# Altium PCB FMU3_REV_D.PcbDoc (part 1 of 4)
Units mm, origin at the board's own origin, x right, y up, seen from the top; angles counter-clockwise.
Board outline 34.01 x 34.03 mm, 8 copper layers (Top, GND_top, HorizontalTop, Verticall_top, Horizontal_bot, VerticalBot, GND_BOT, Bottom), stack 1.63 mm thick; 168 components, 248 nets, 847 pads, 412 vias.
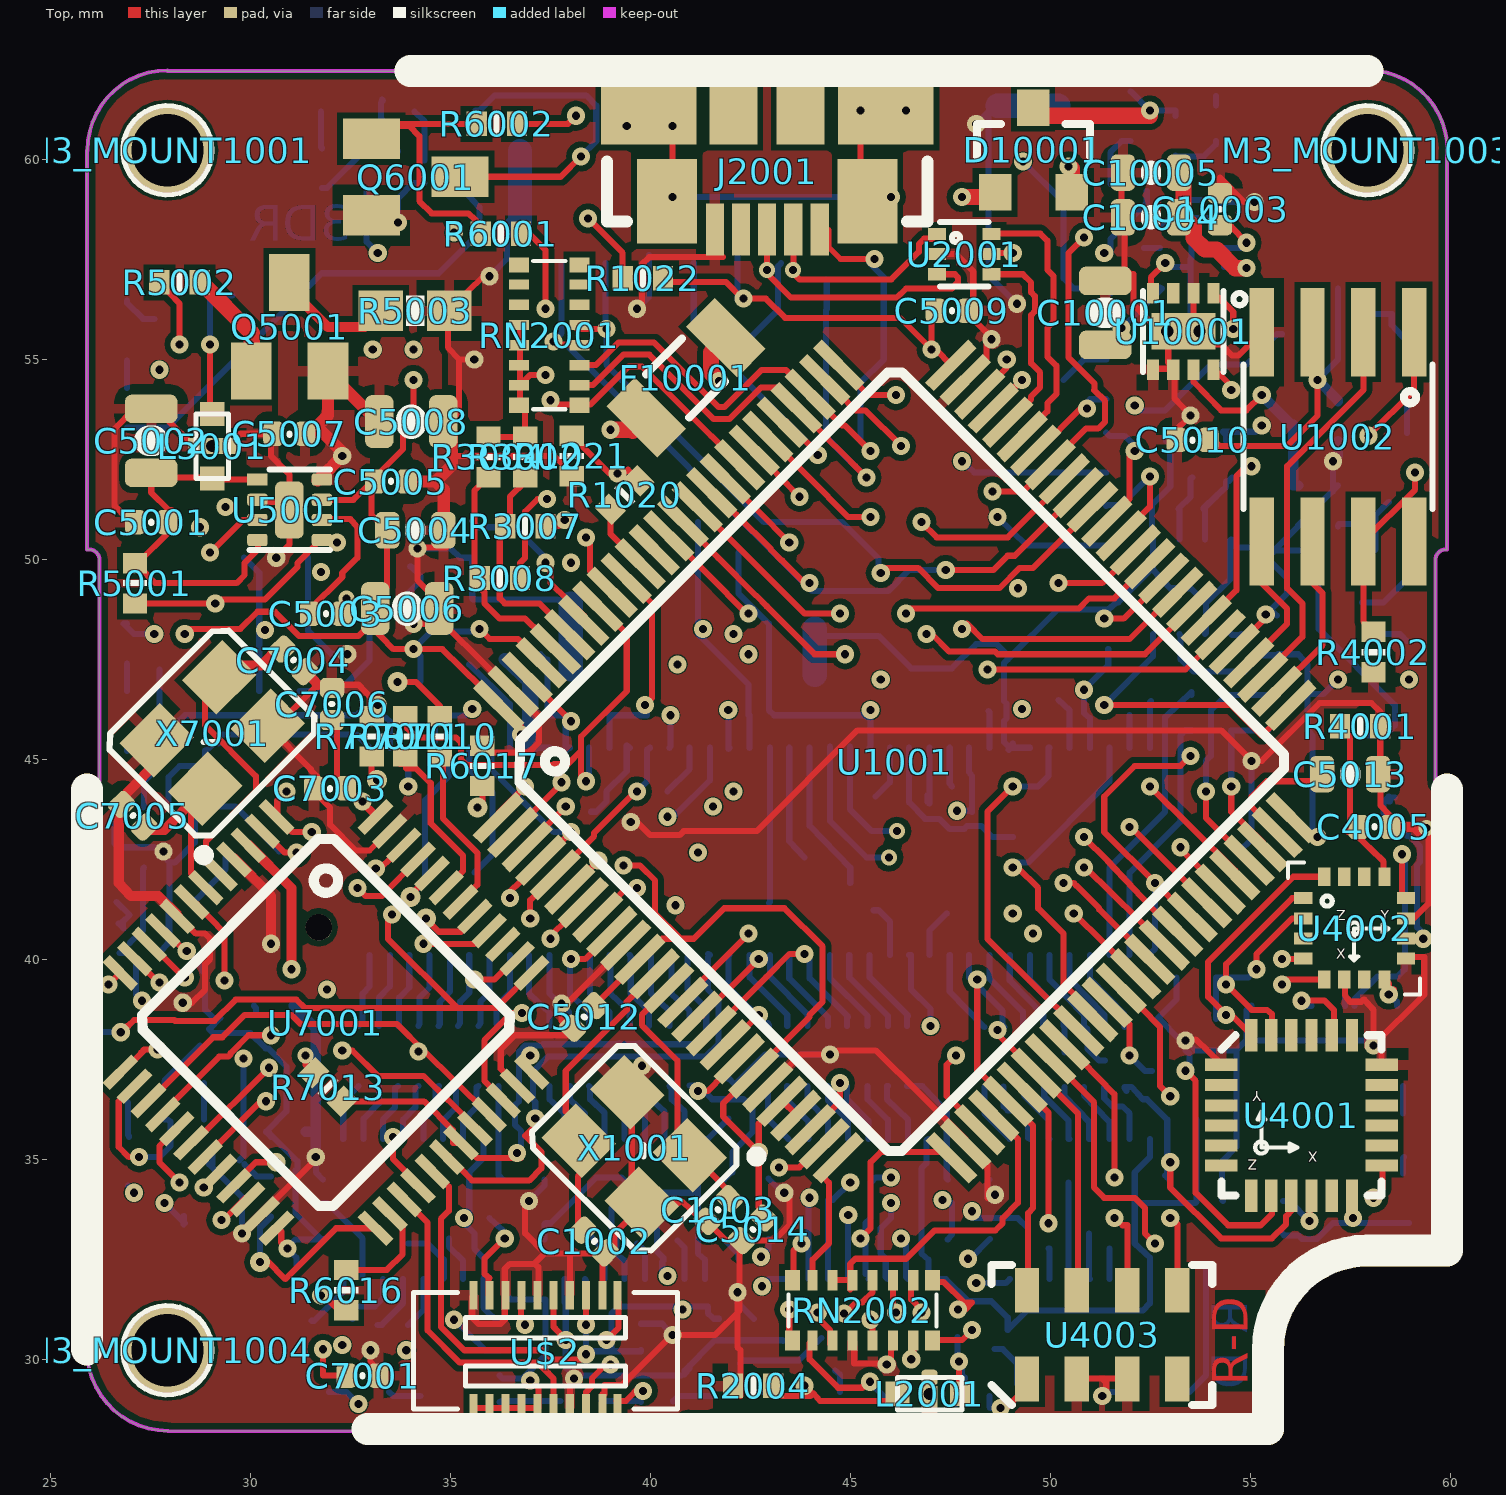
[diagram p0: Top view]
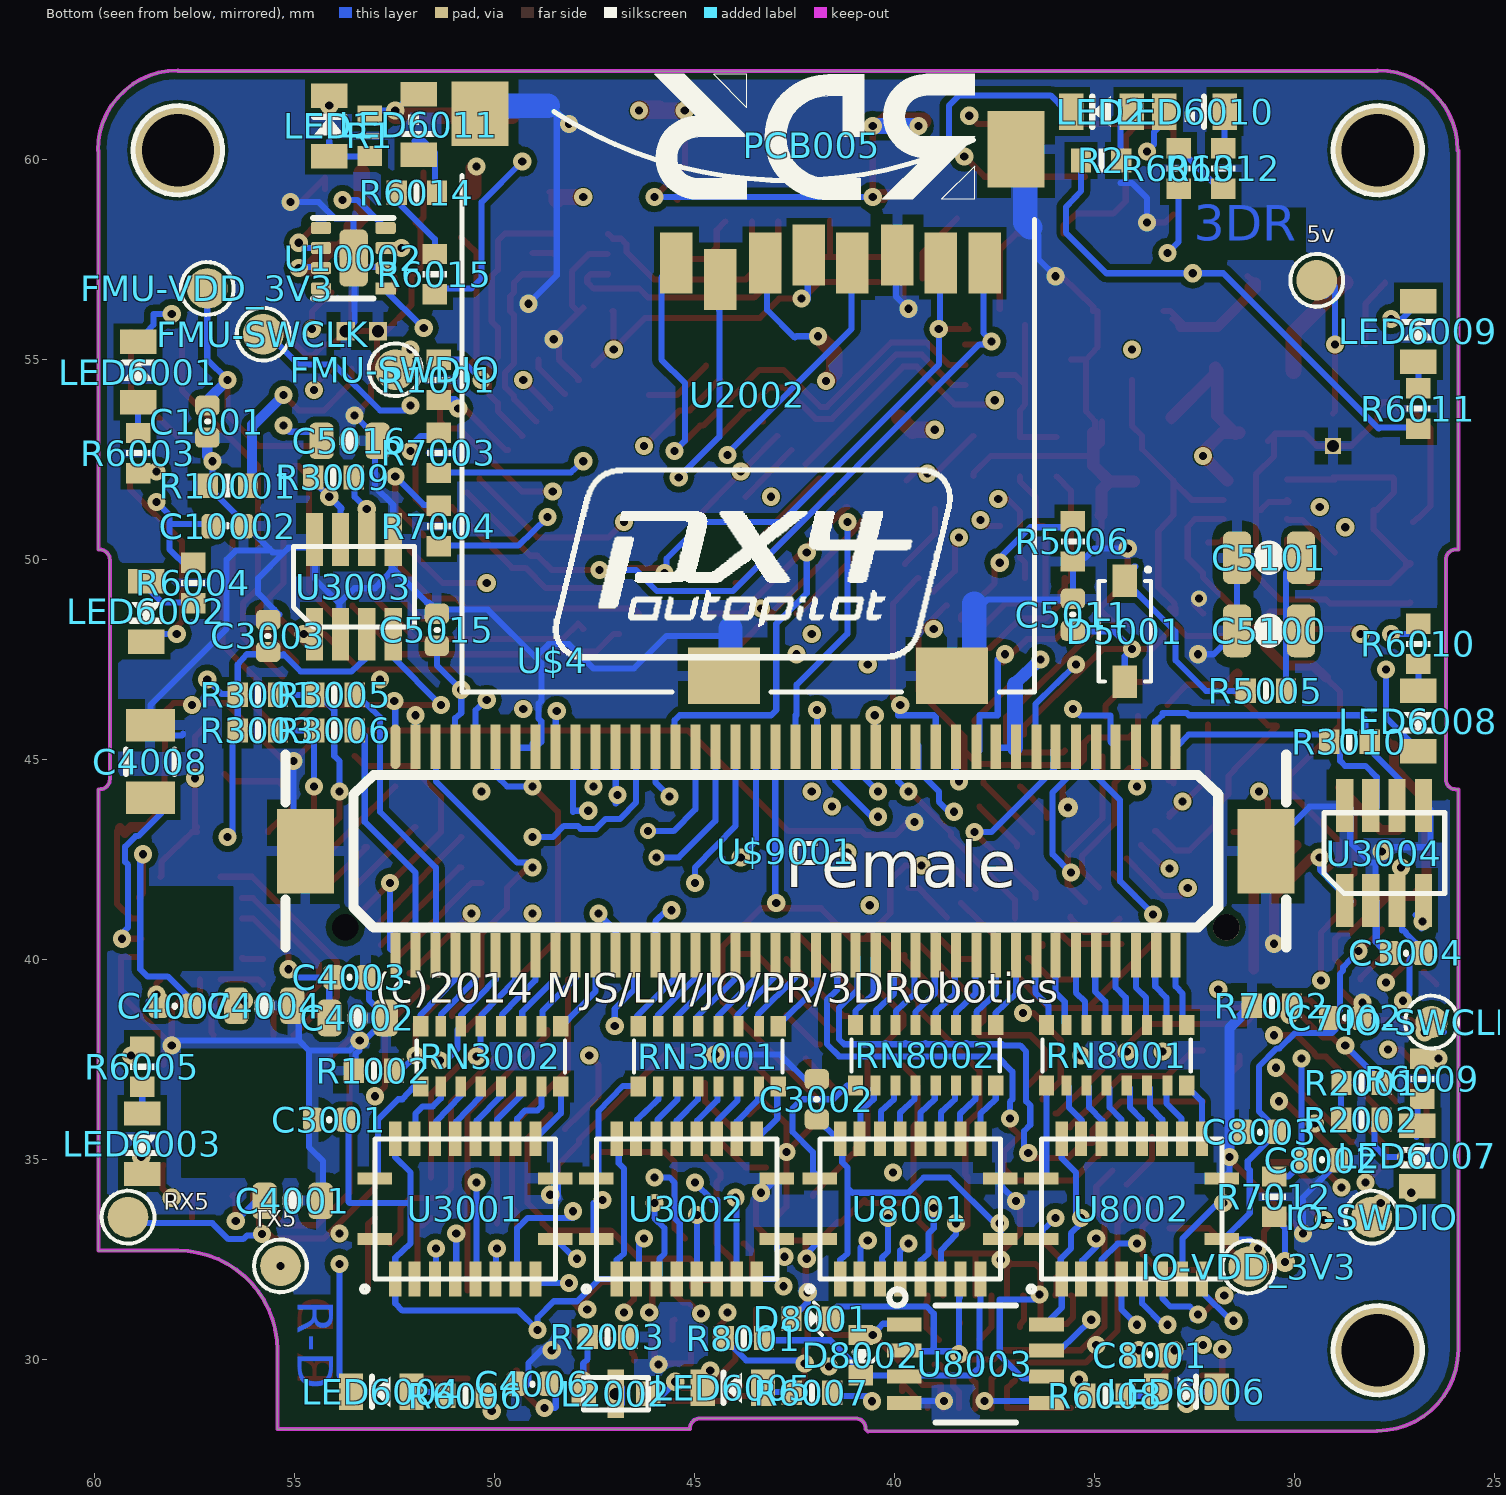
[diagram p1: Bottom view, seen from below]
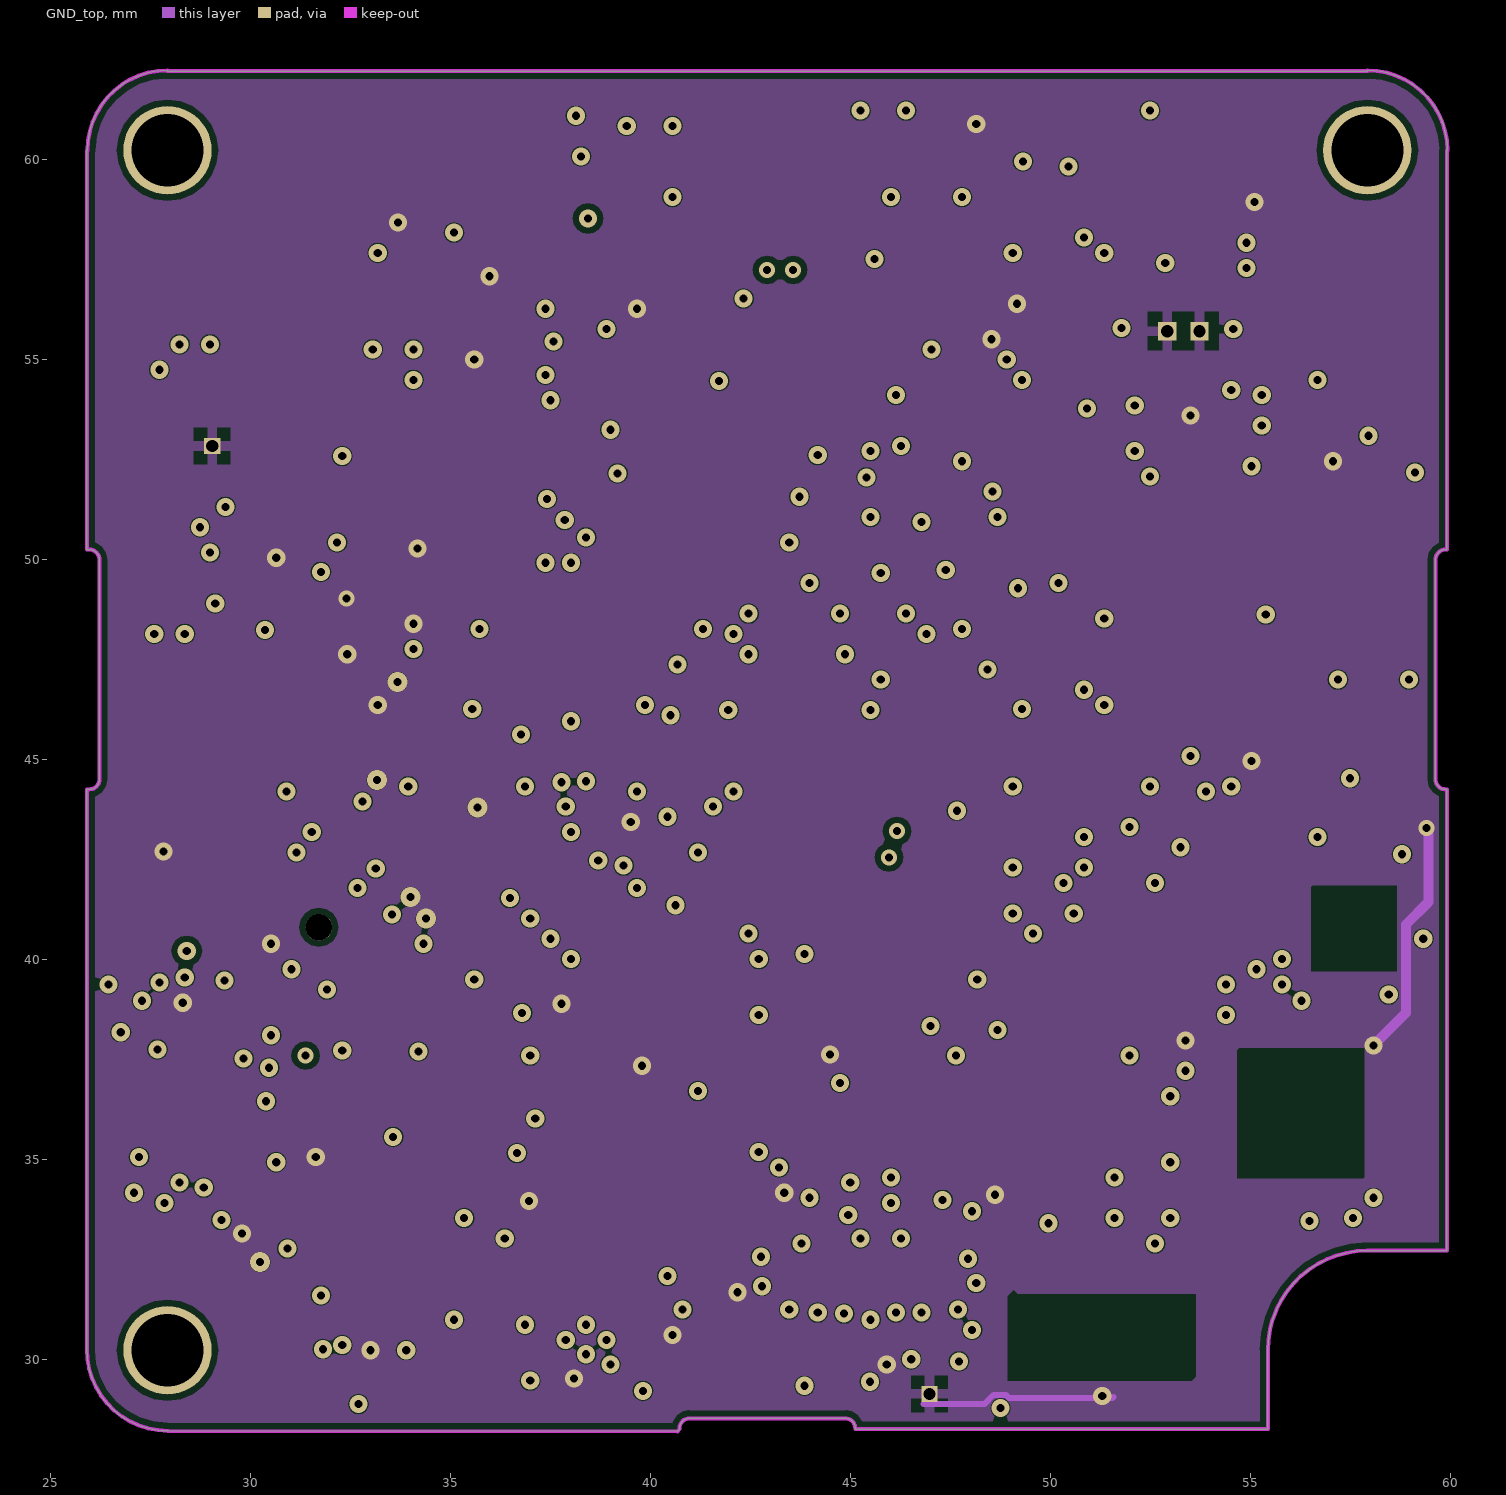
[diagram p2: GND_top]
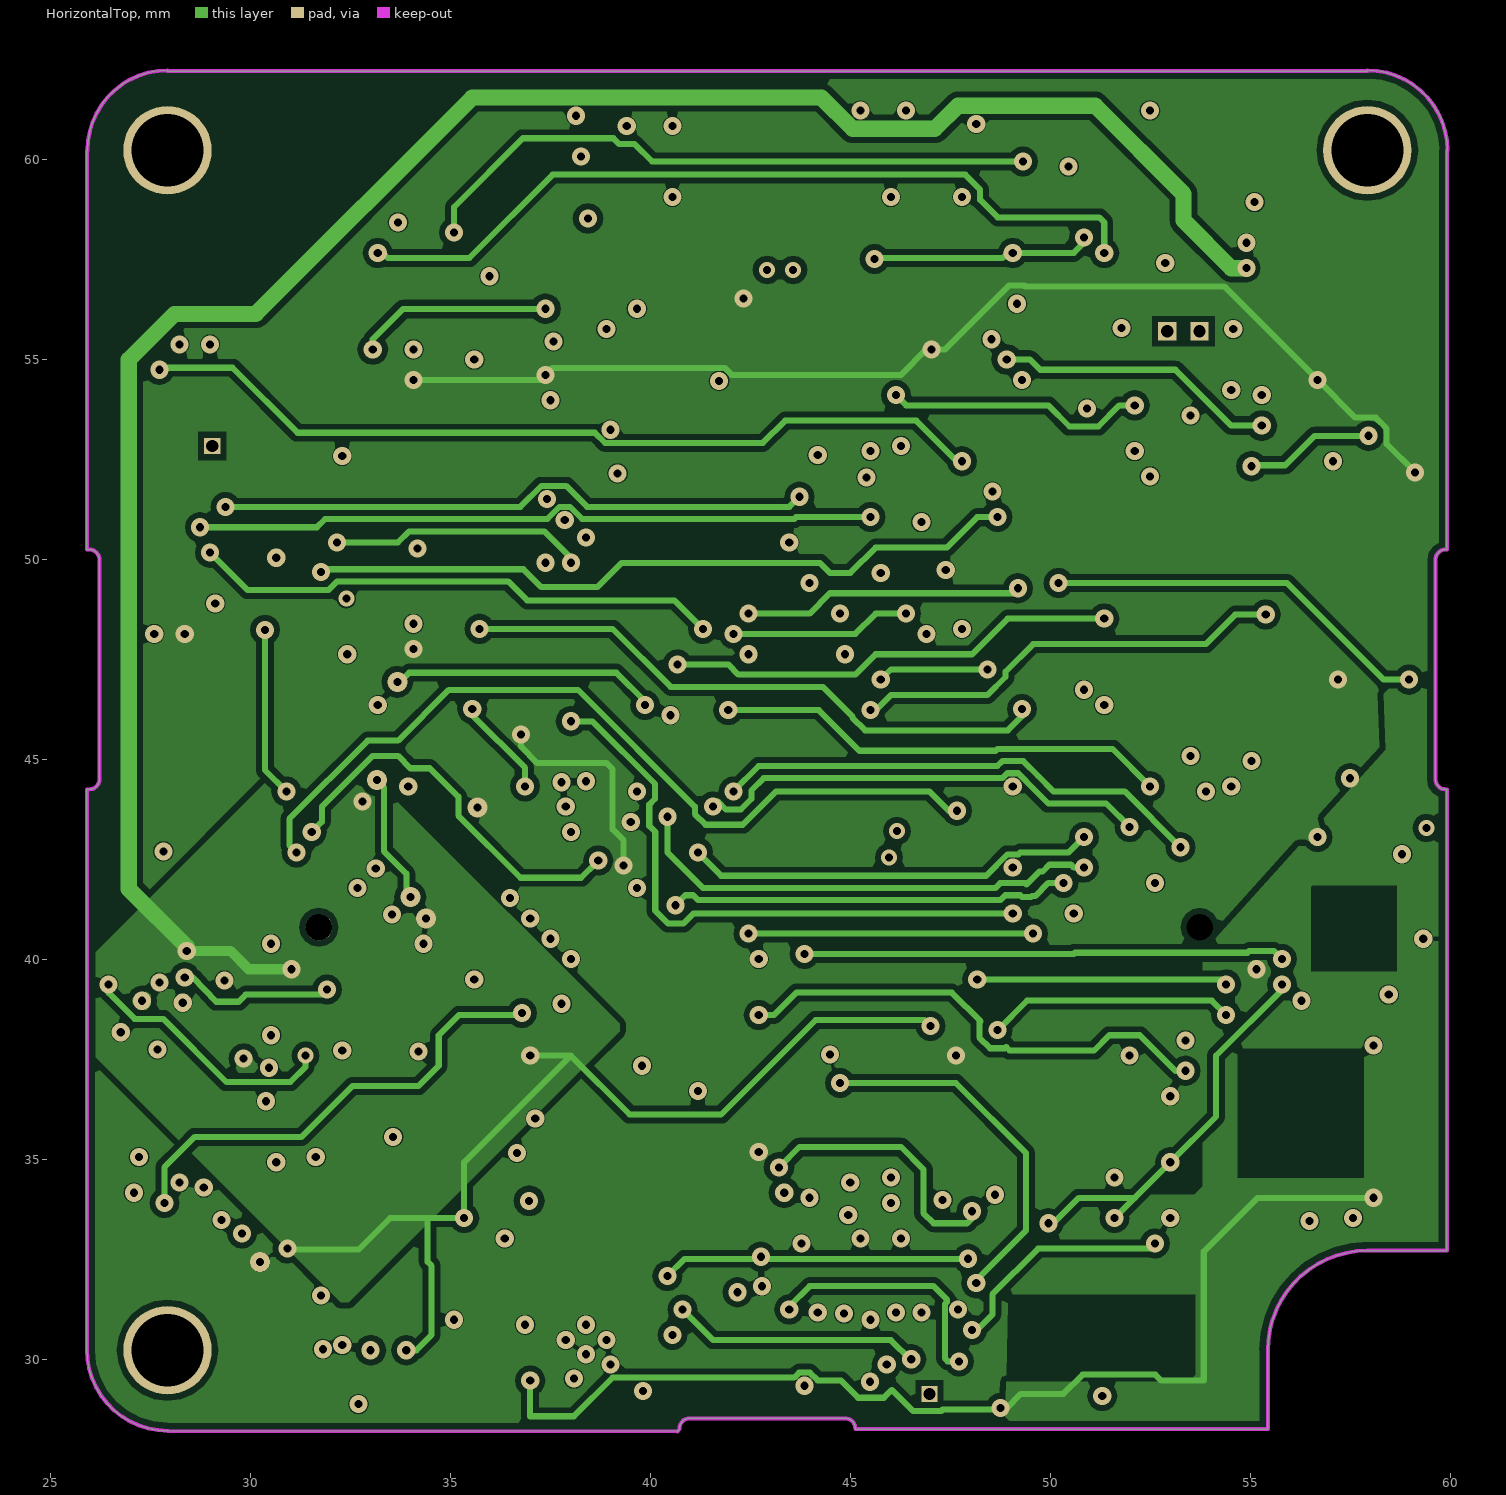
[diagram p3: HorizontalTop]
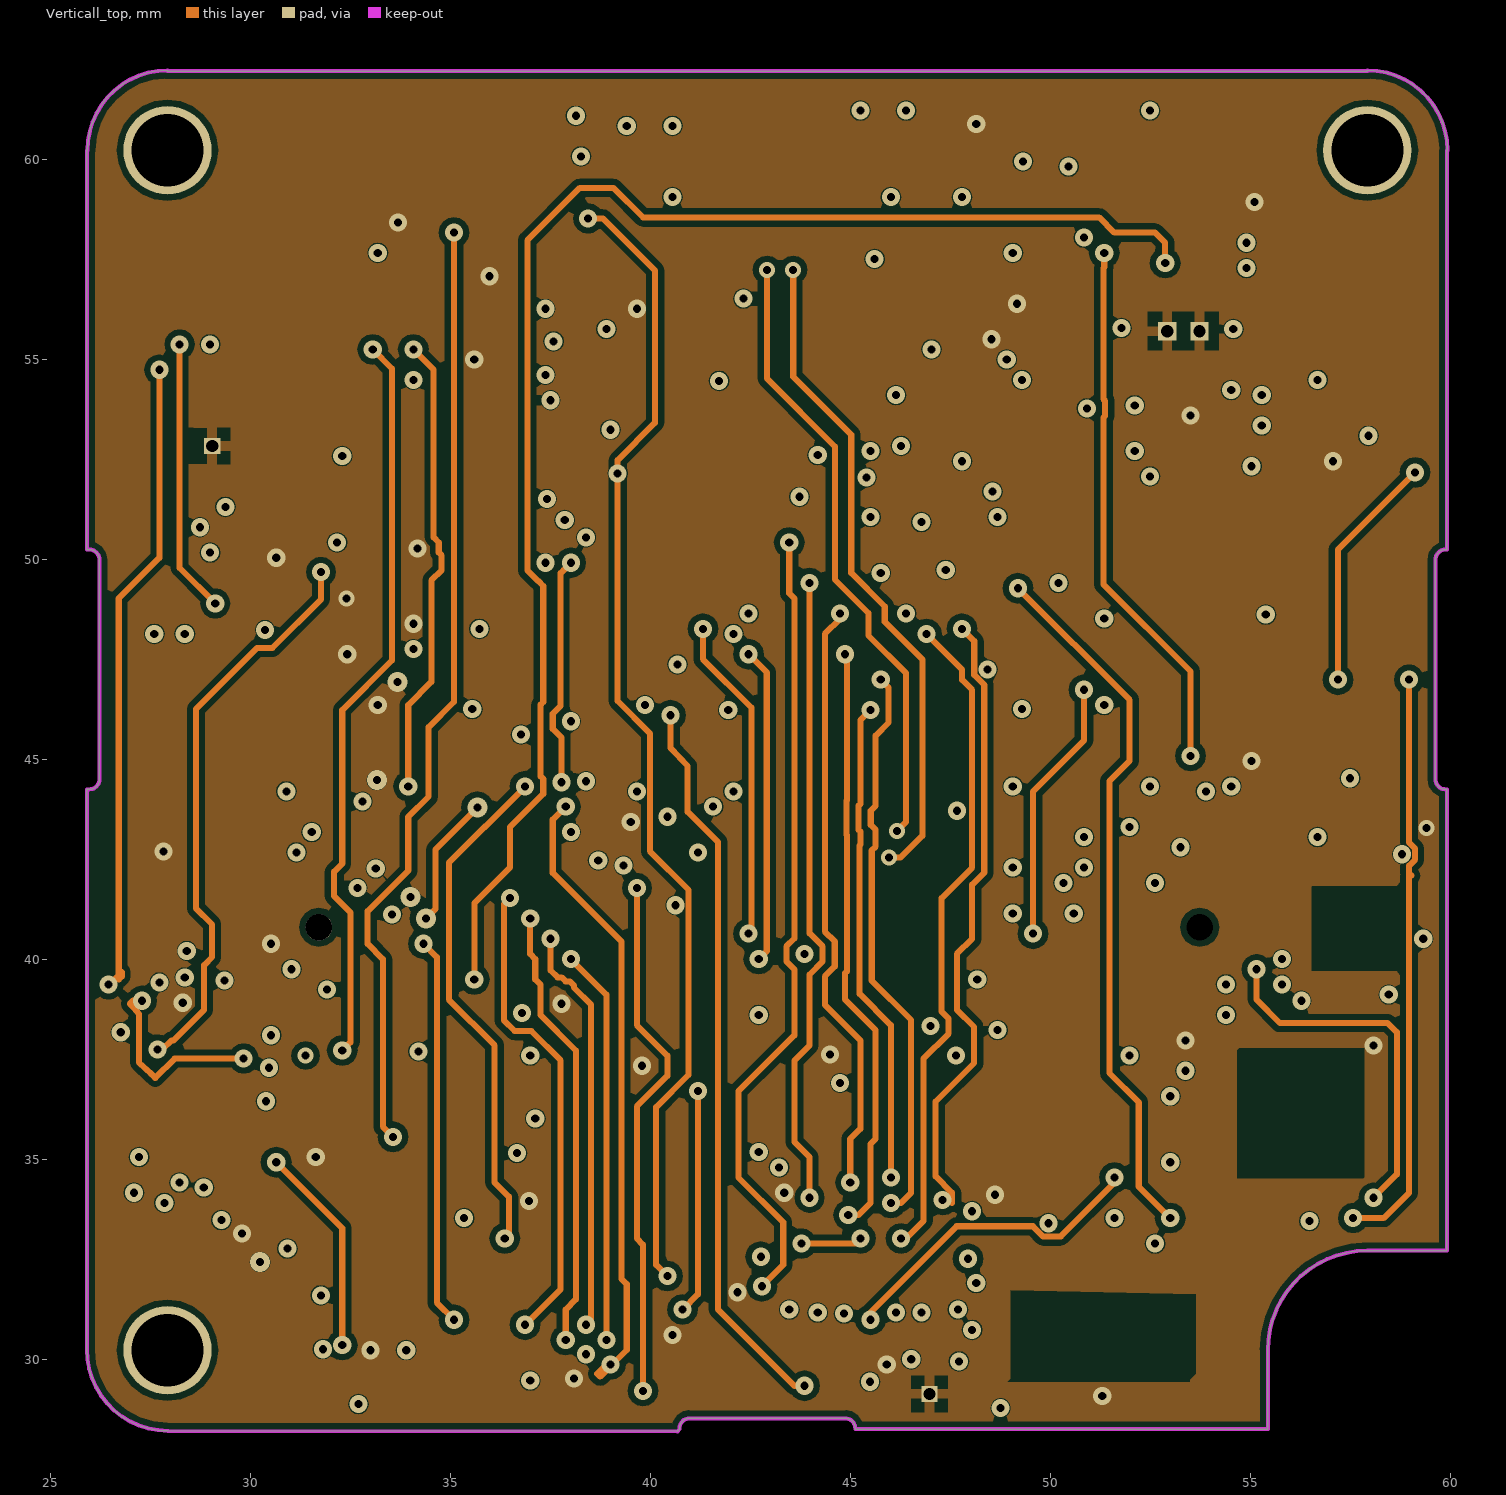
[diagram p4: Verticall_top]
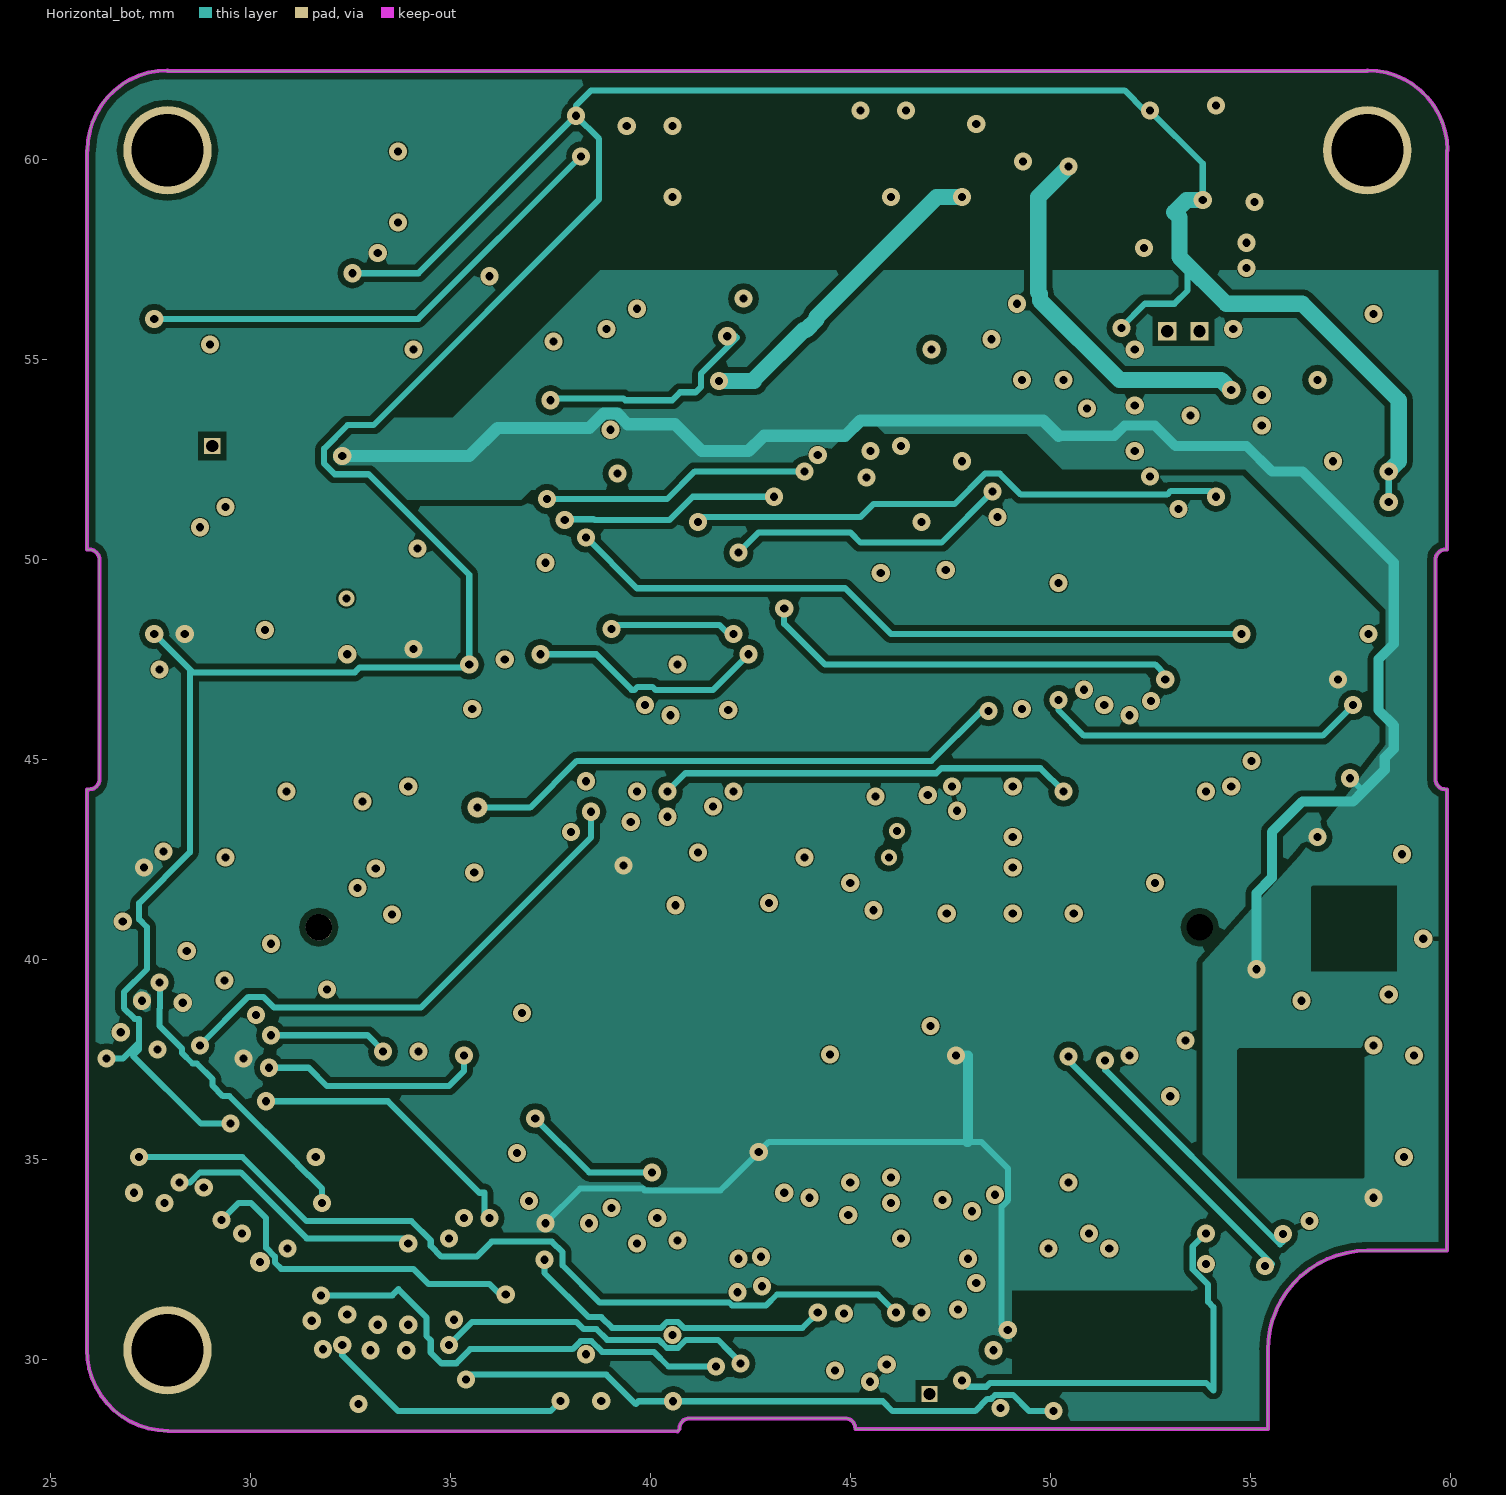
[diagram p5: Horizontal_bot]
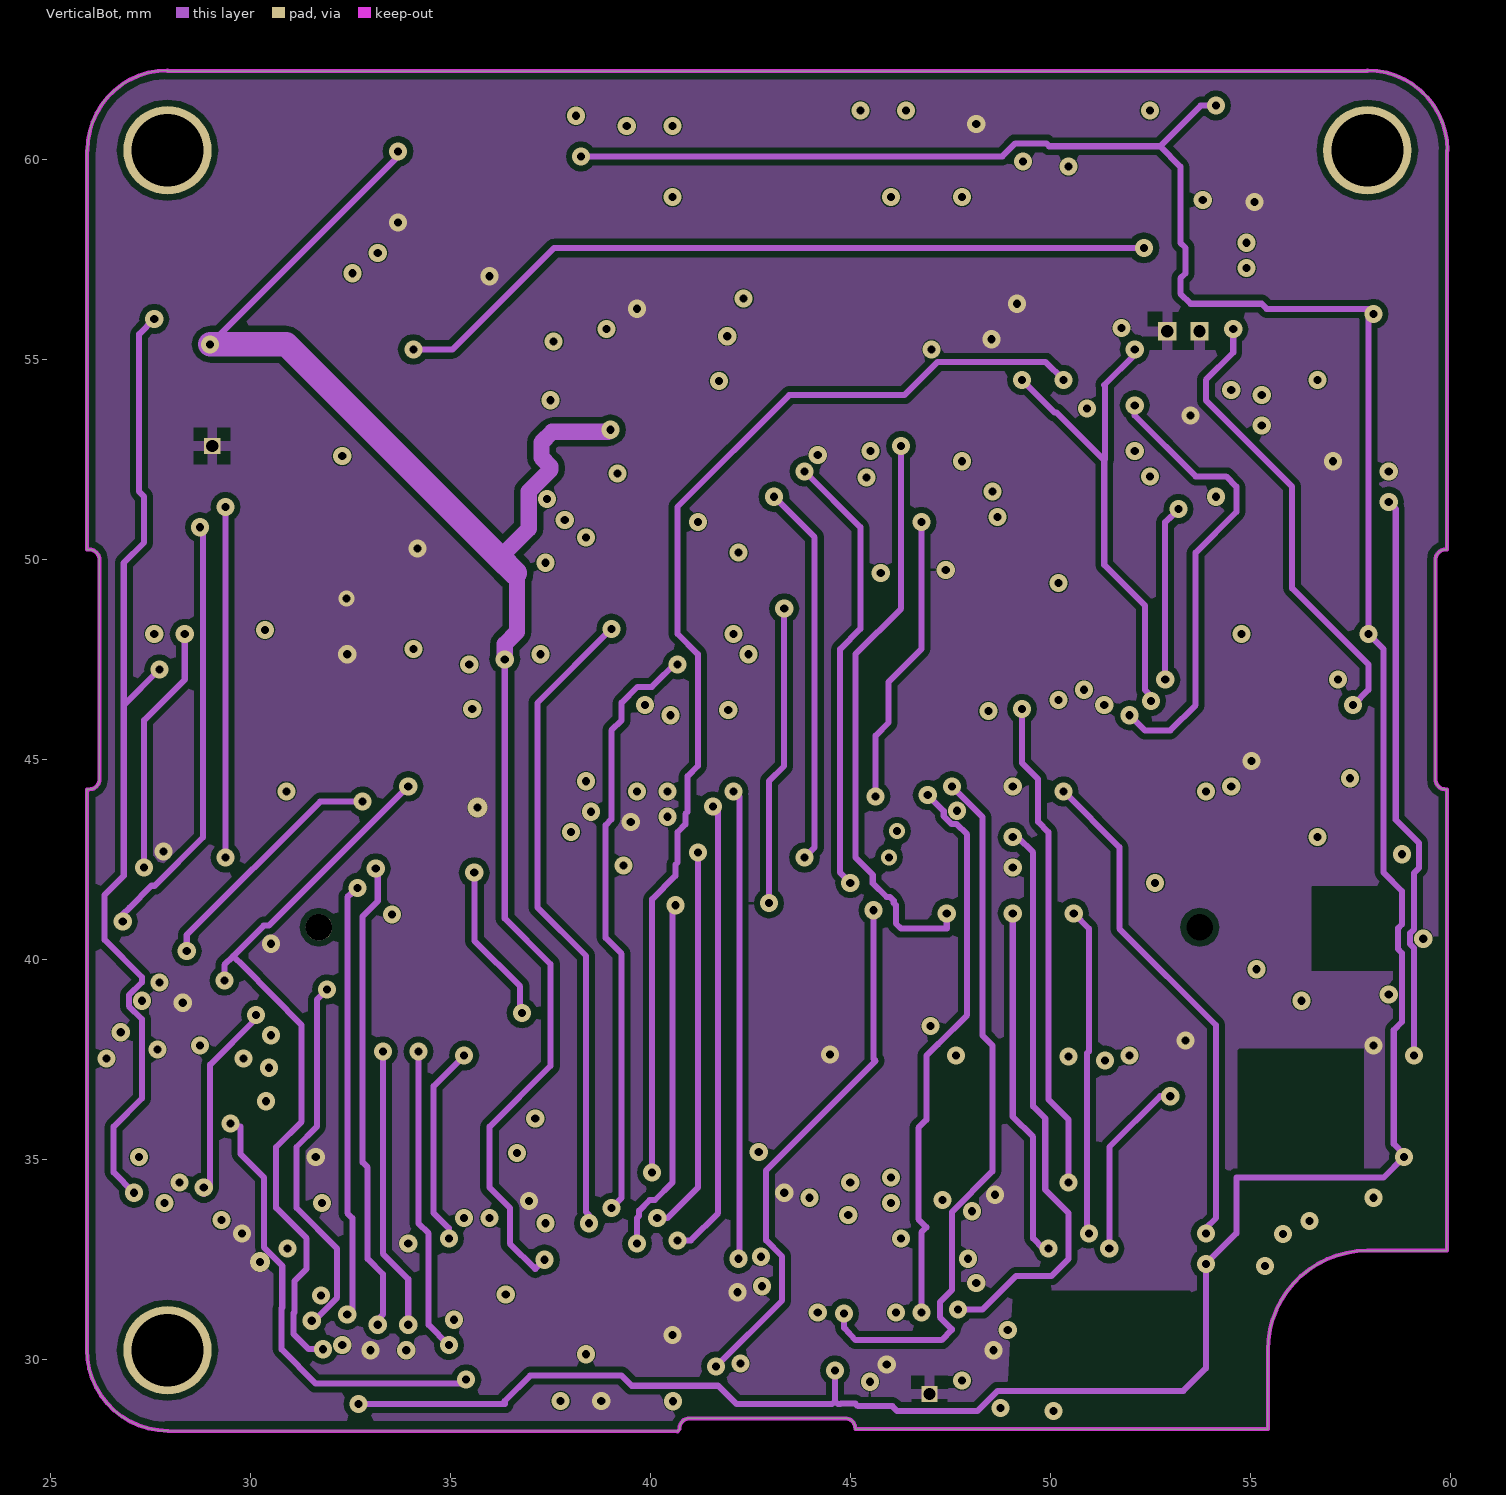
[diagram p6: VerticalBot]
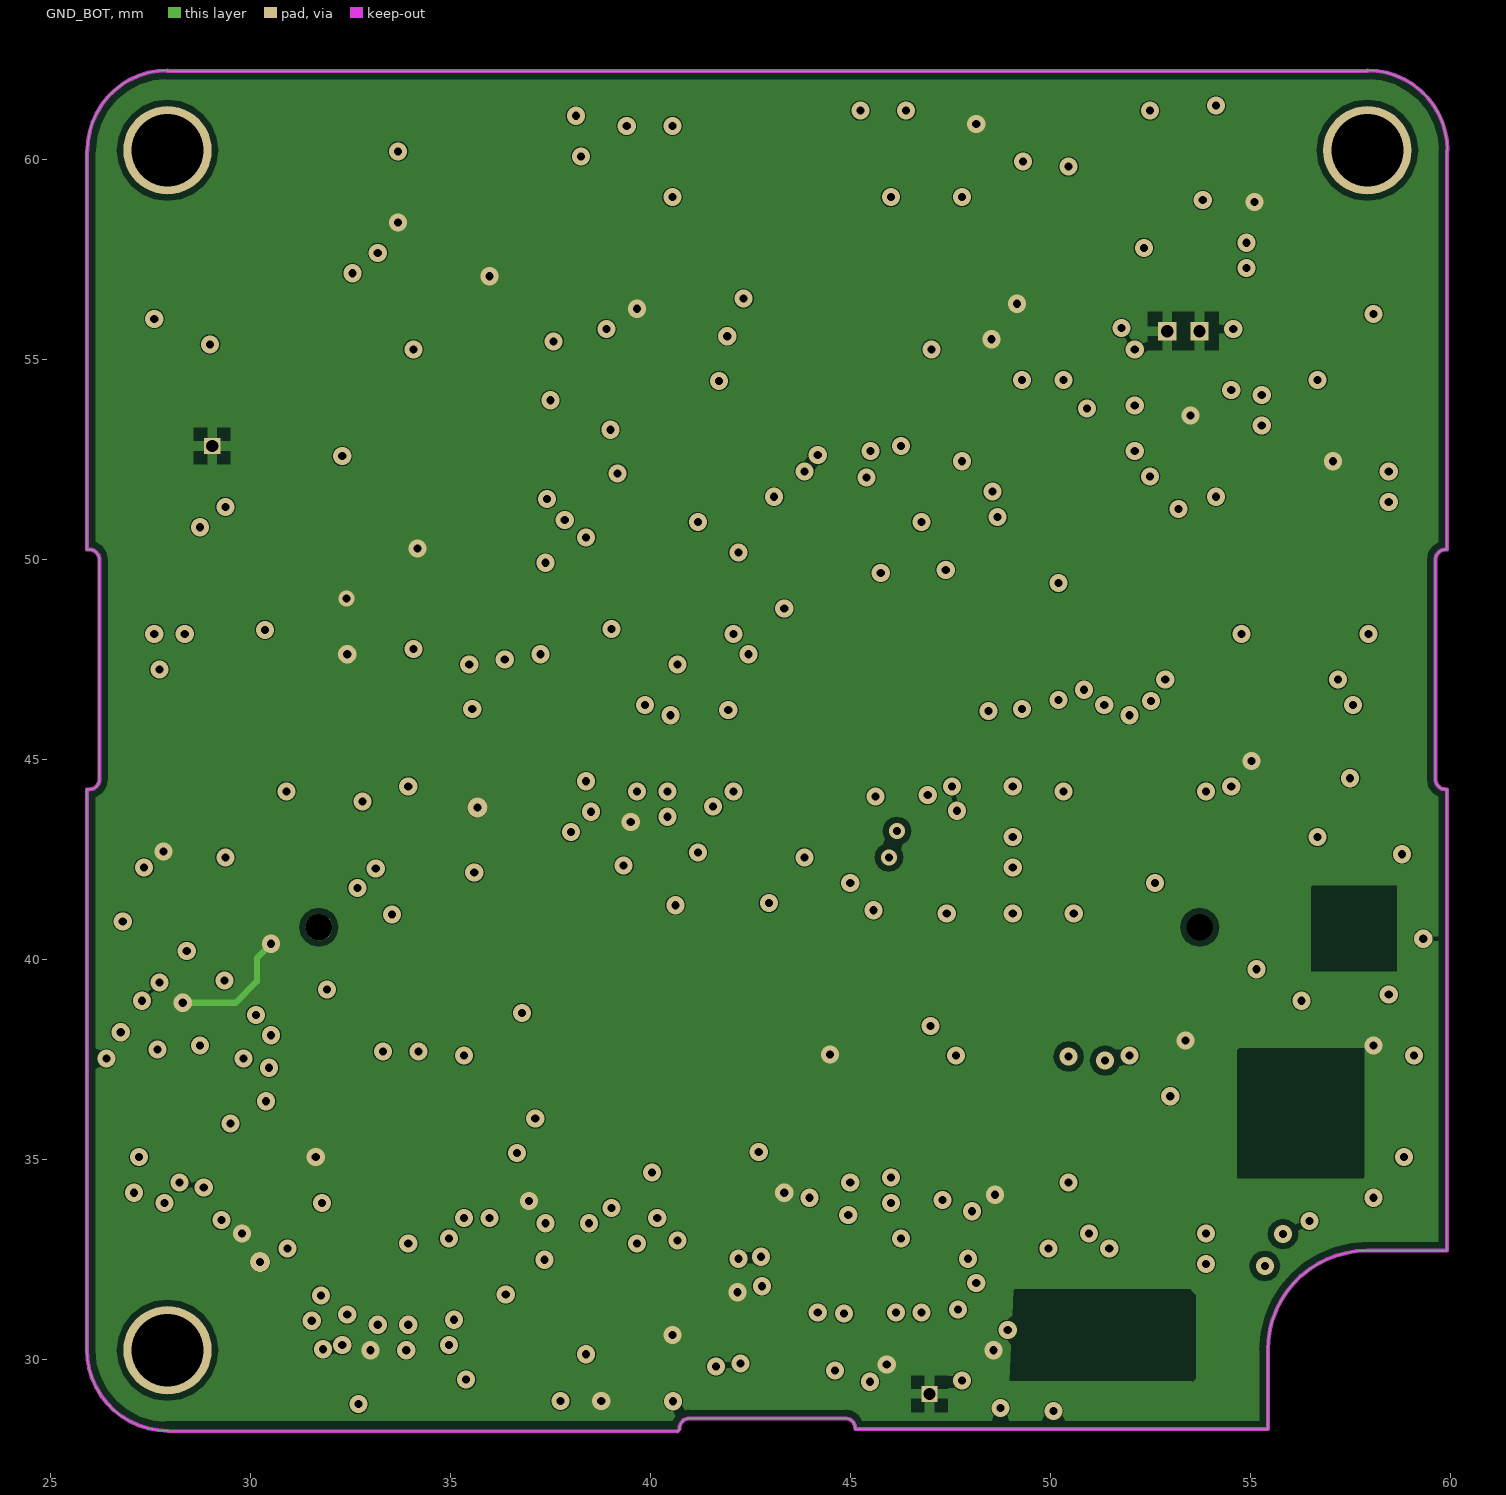
[diagram p7: GND_BOT]

## Layer stack, top to bottom
Top Solder: solder mask 0.0102, Solder Resist (Black Matte), Dk 3.5
Top: signal copper 0.035
Dielectric 1: core 0.15, FR-4, Dk 4.8
GND_top: signal copper 0.035
Dielectric 2: prepreg 0.25, FR-4, Dk 4.8
HorizontalTop: signal copper 0.035
Dielectric 3: core 0.15, FR-4, Dk 4.8
Verticall_top: signal copper 0.035
Dielectric 4: prepreg 0.25, FR-4, Dk 4.8
Horizontal_bot: signal copper 0.035
Dielectric 5: core 0.15, FR-4, Dk 4.8
VerticalBot: signal copper 0.035
Dielectric 6: prepreg 0.25, FR-4, Dk 4.8
GND_BOT: signal copper 0.035
Dielectric 7: core 0.15, FR-4, Dk 4.8
Bottom: signal copper 0.035
Bottom Solder: solder mask 0.0102, Solder Resist (Black Matte), Dk 3.5